# Altium PCB UZ_D_Encoder.PcbDoc (part 1 of 5)
Units mm, origin at the board's own origin, x right, y up, seen from the top; angles counter-clockwise.
Board outline 156.29 x 100 mm, 4 copper layers (Top Layer, GND, VCC, Bottom Layer), stack 0.778 mm thick; 526 components, 375 nets, 1809 pads, 592 vias.
Unrouted connection lines stored in the file: 1.
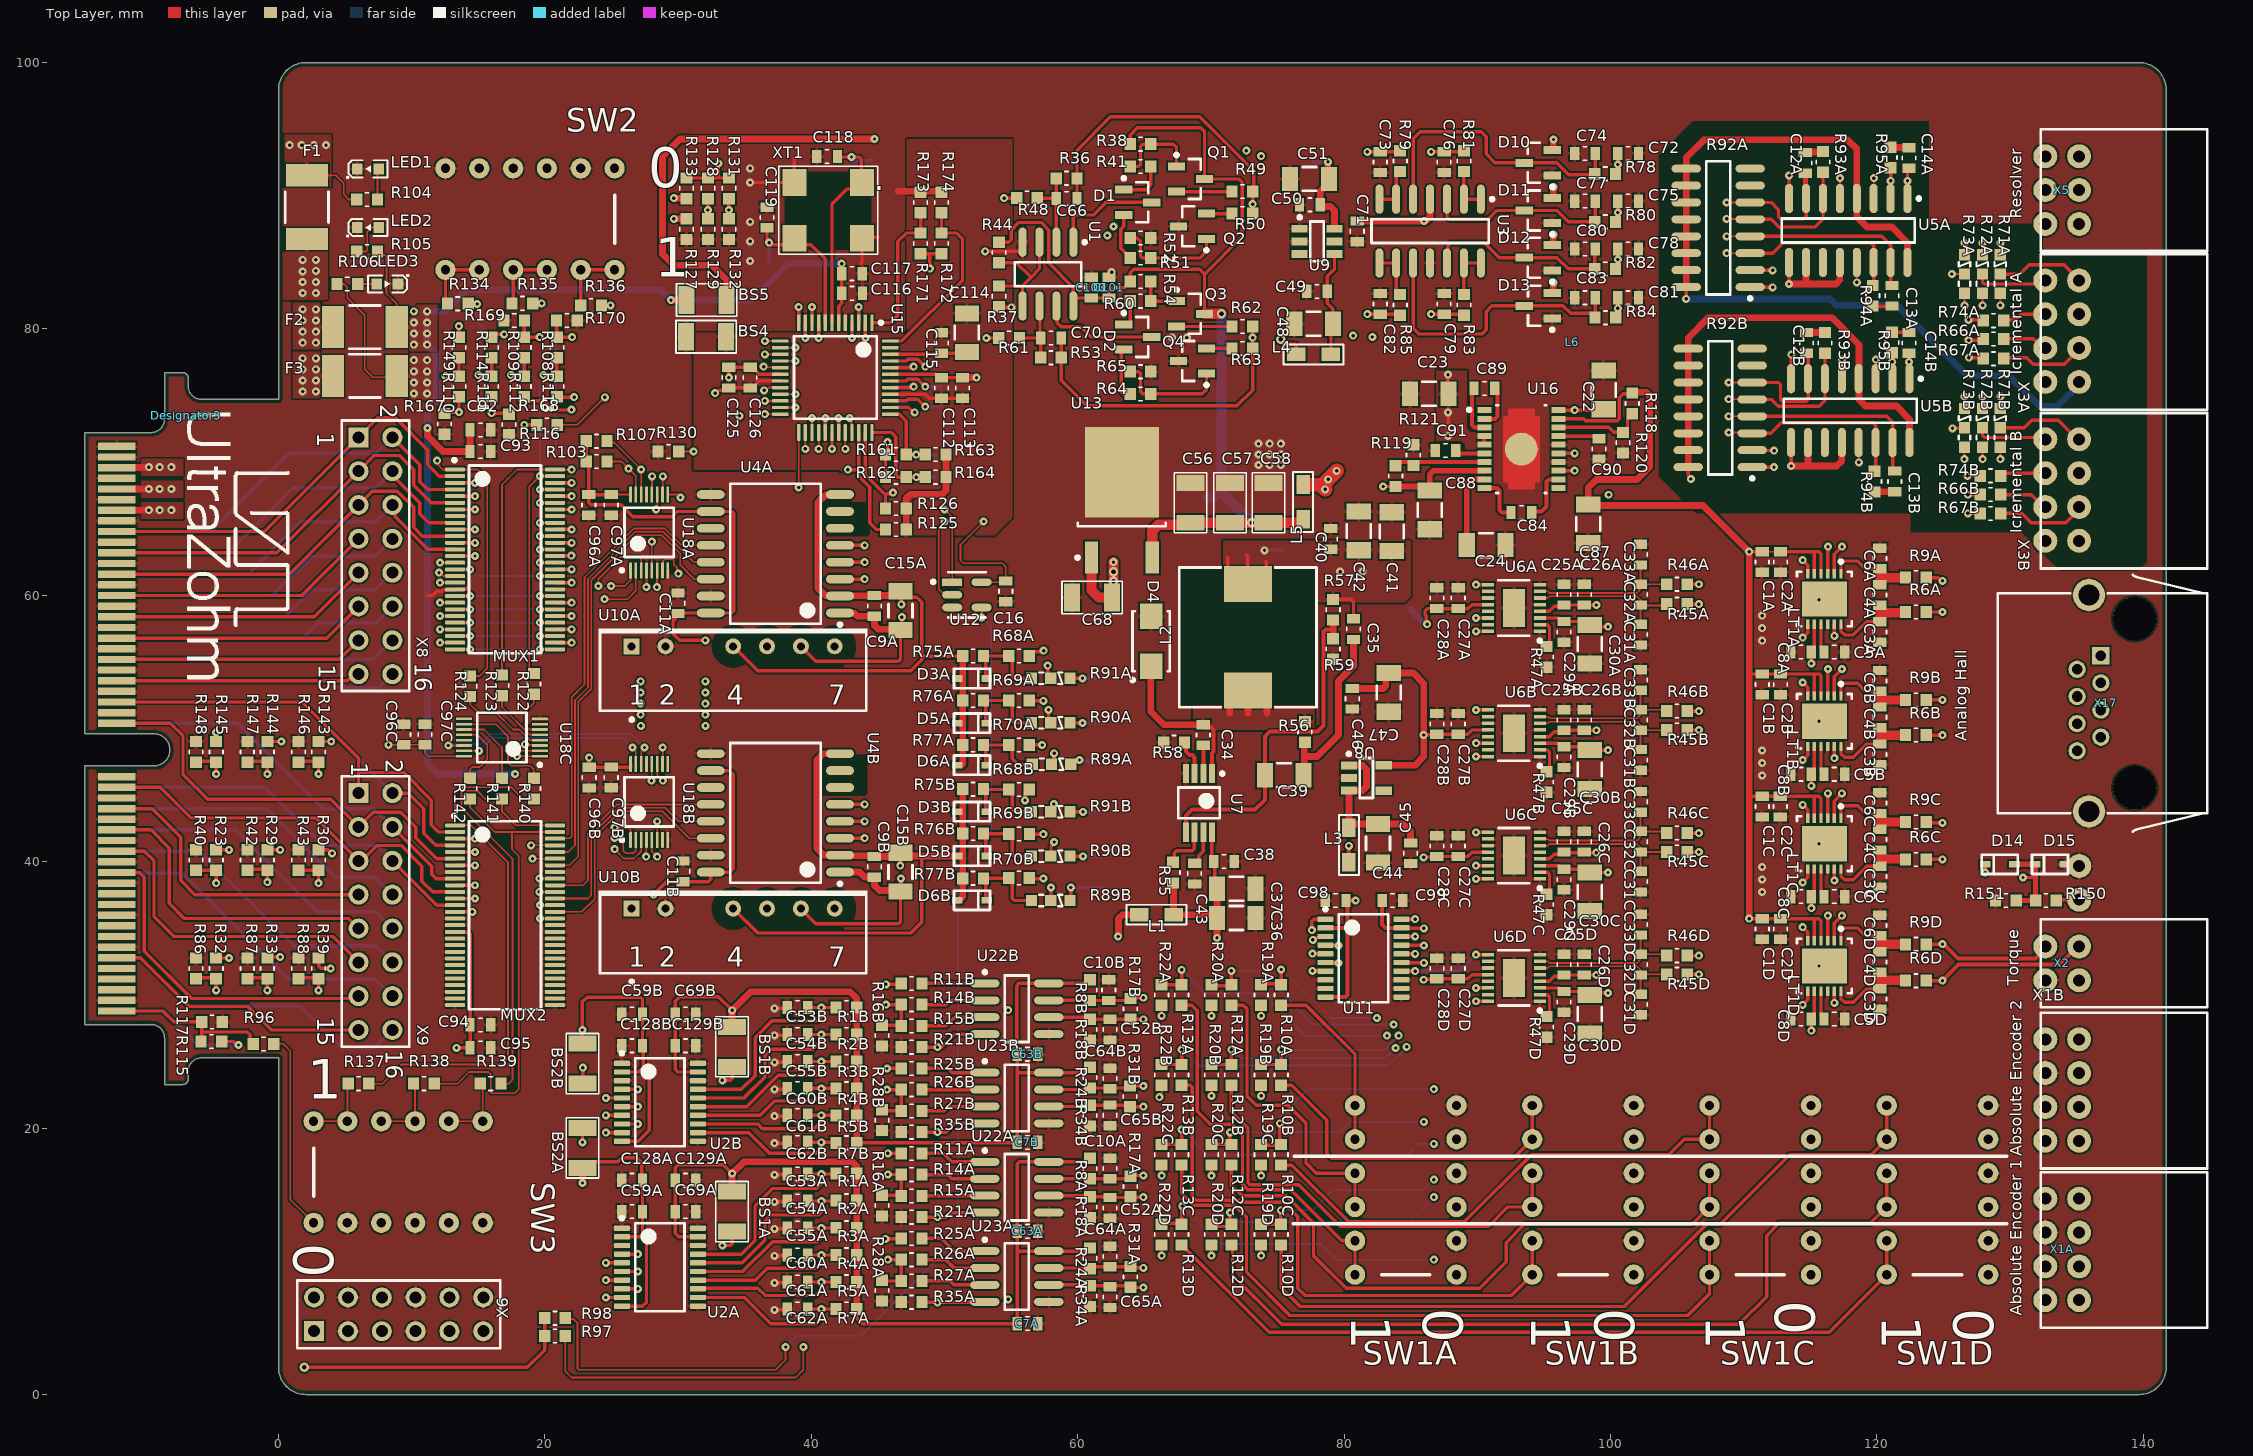
[diagram p0: Top Layer view]
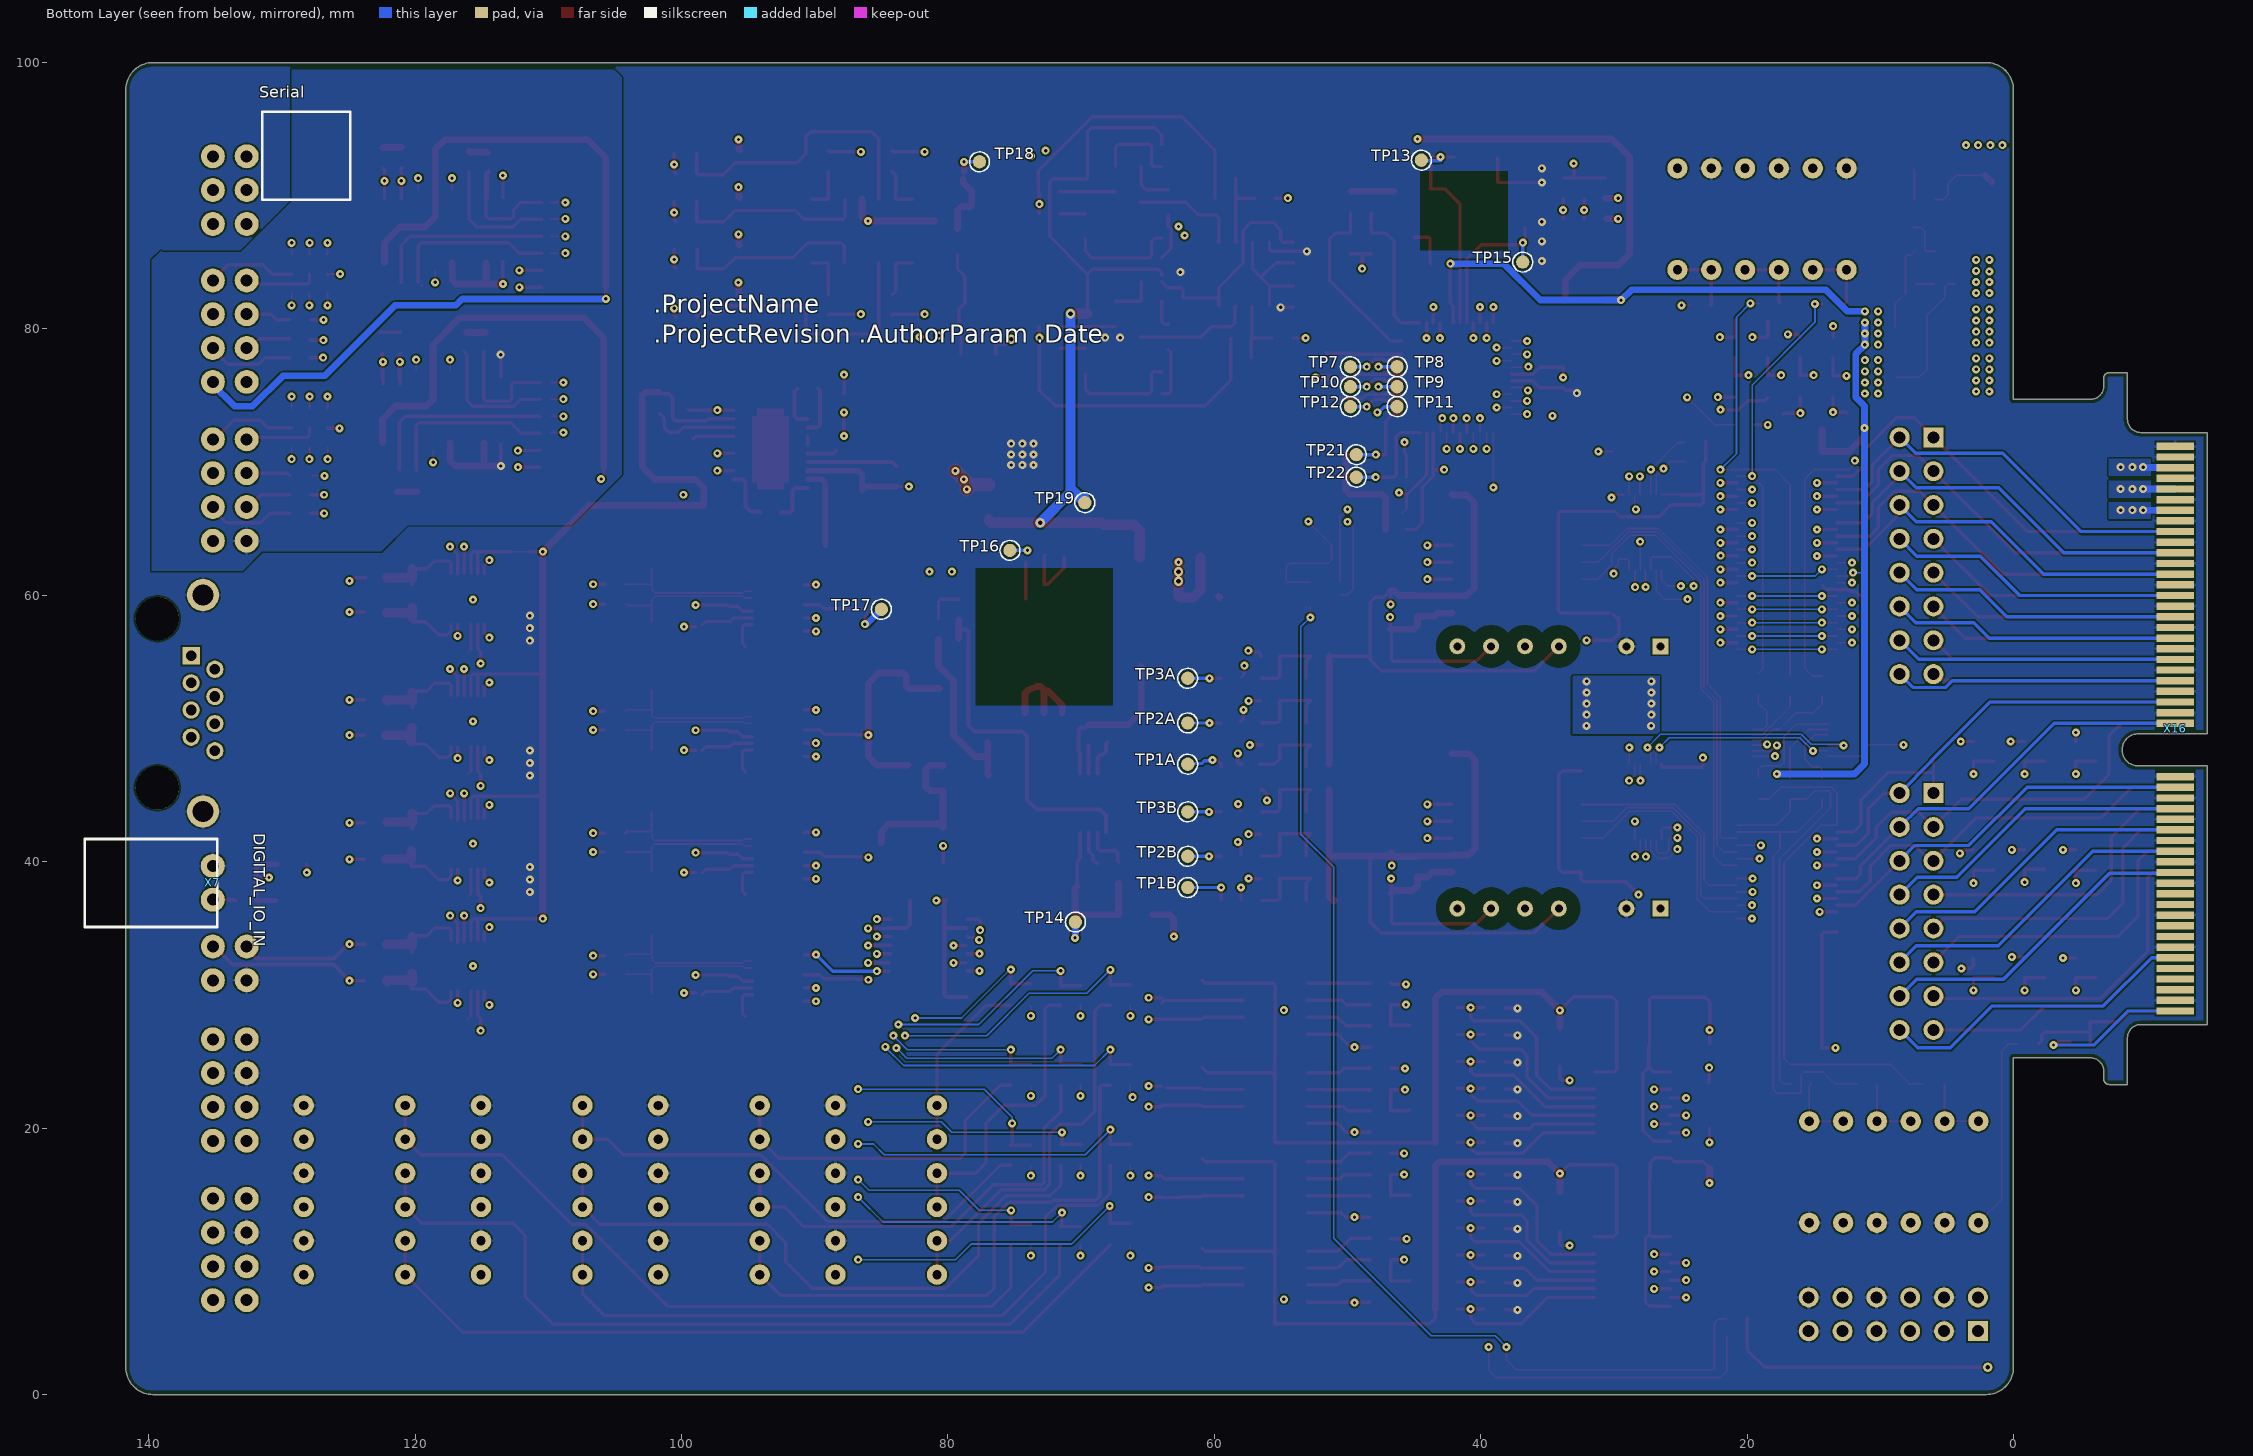
[diagram p1: Bottom Layer view, seen from below]
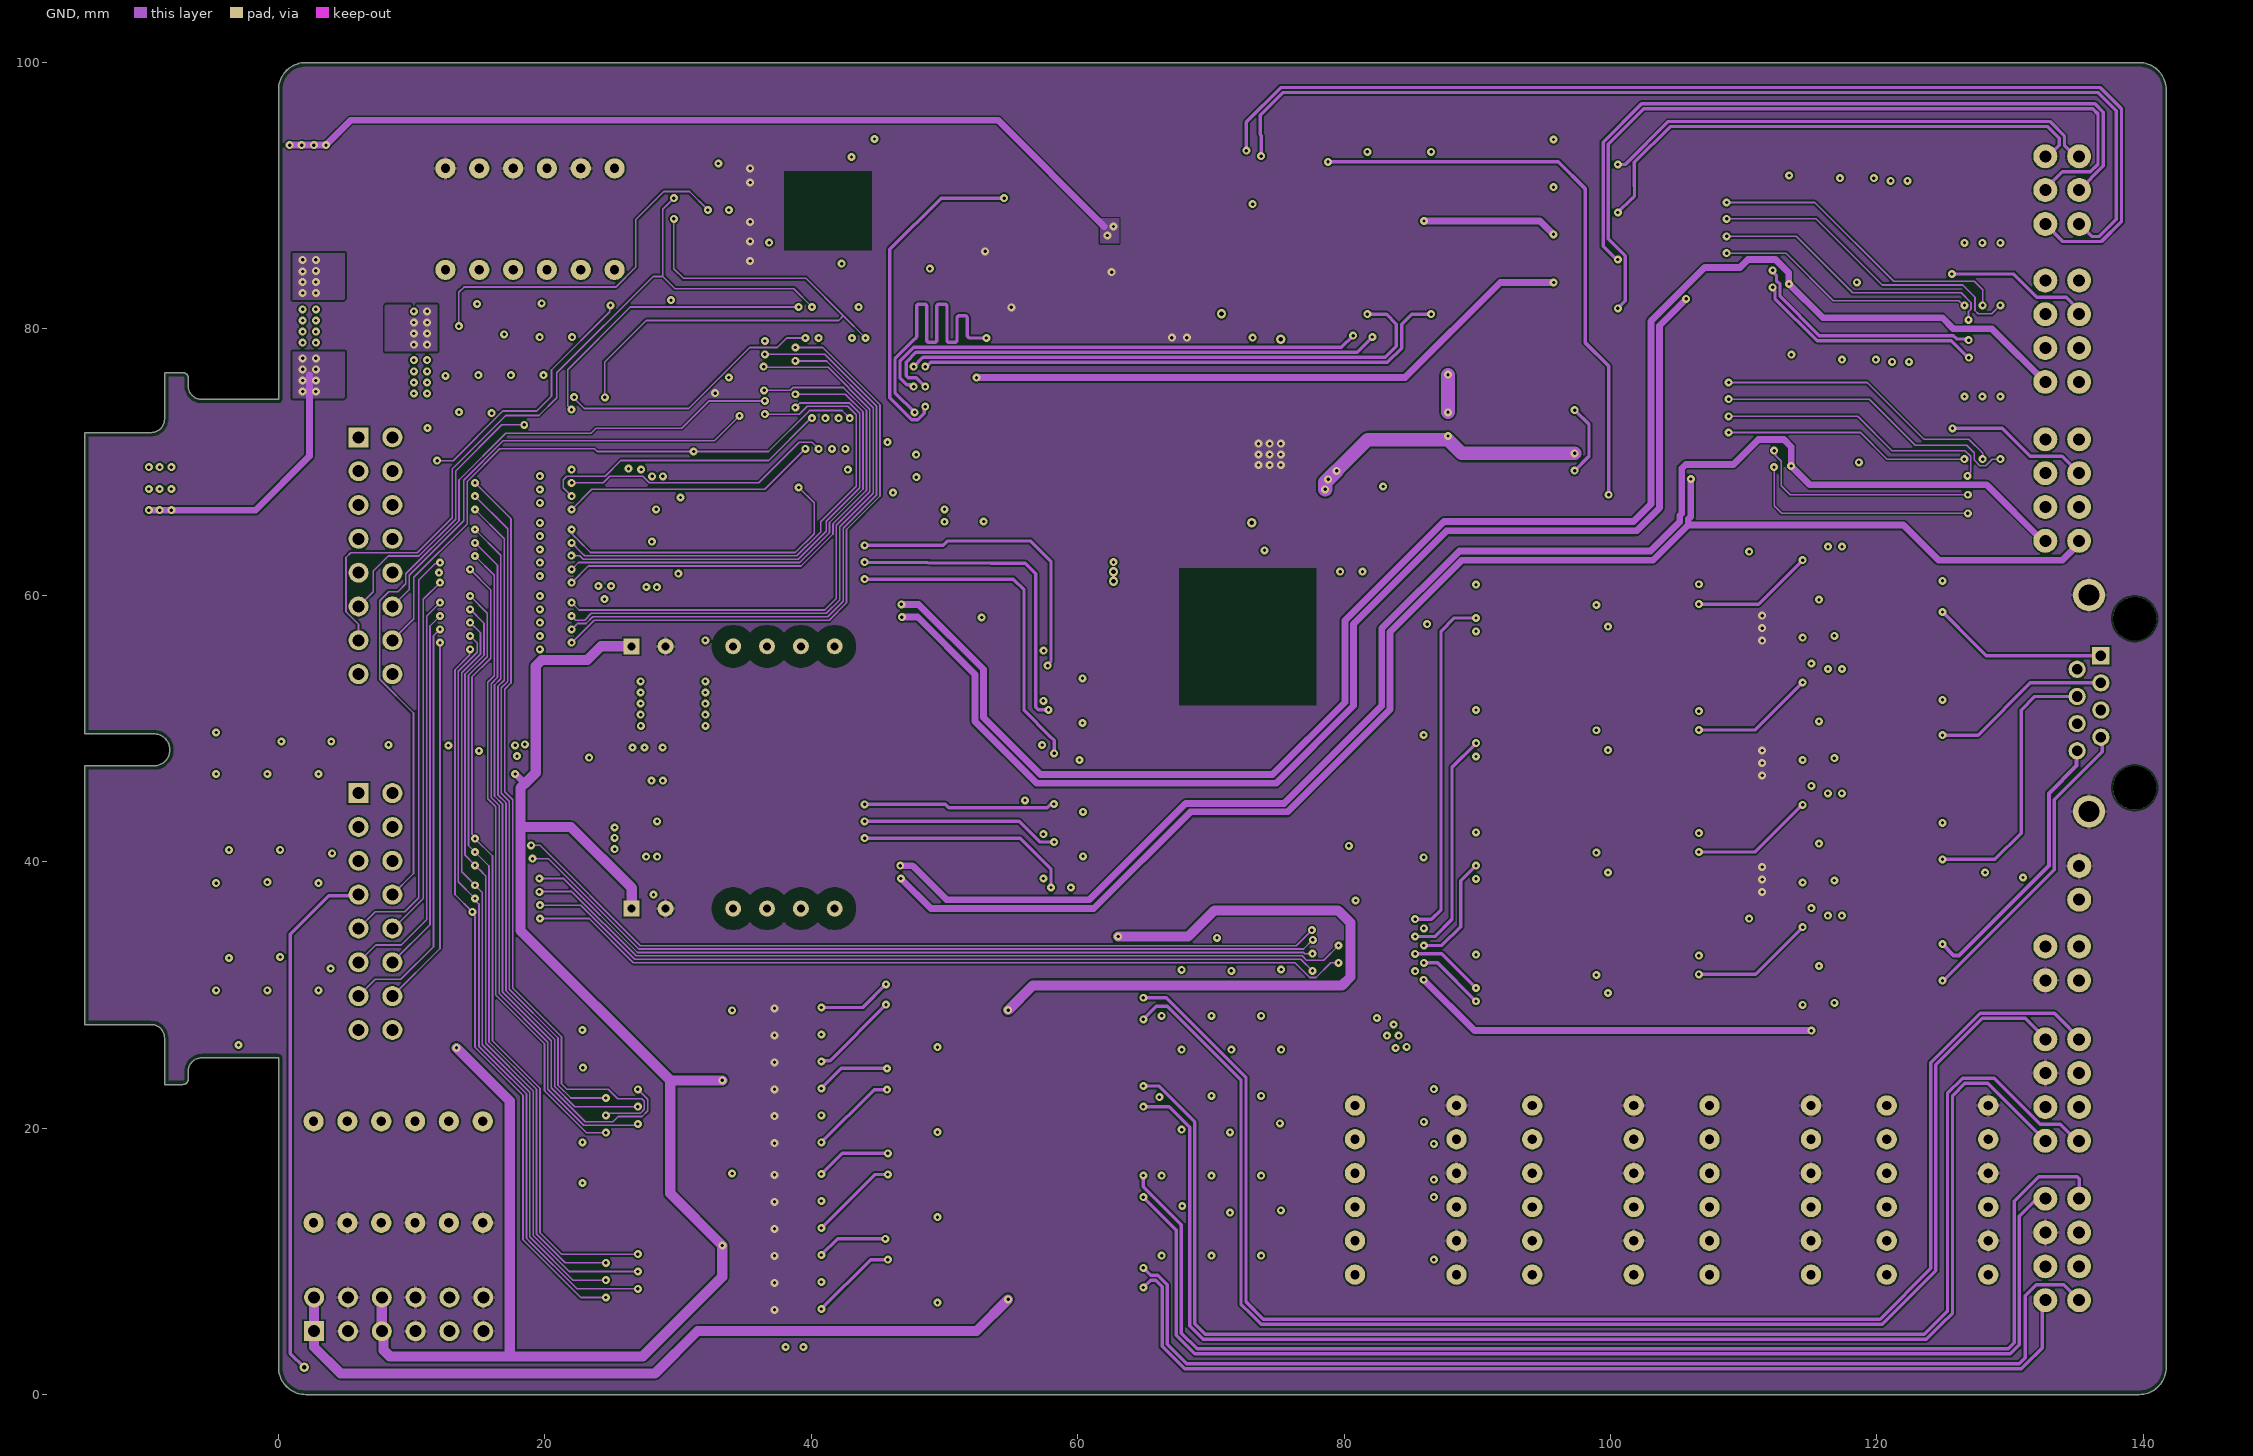
[diagram p2: GND]
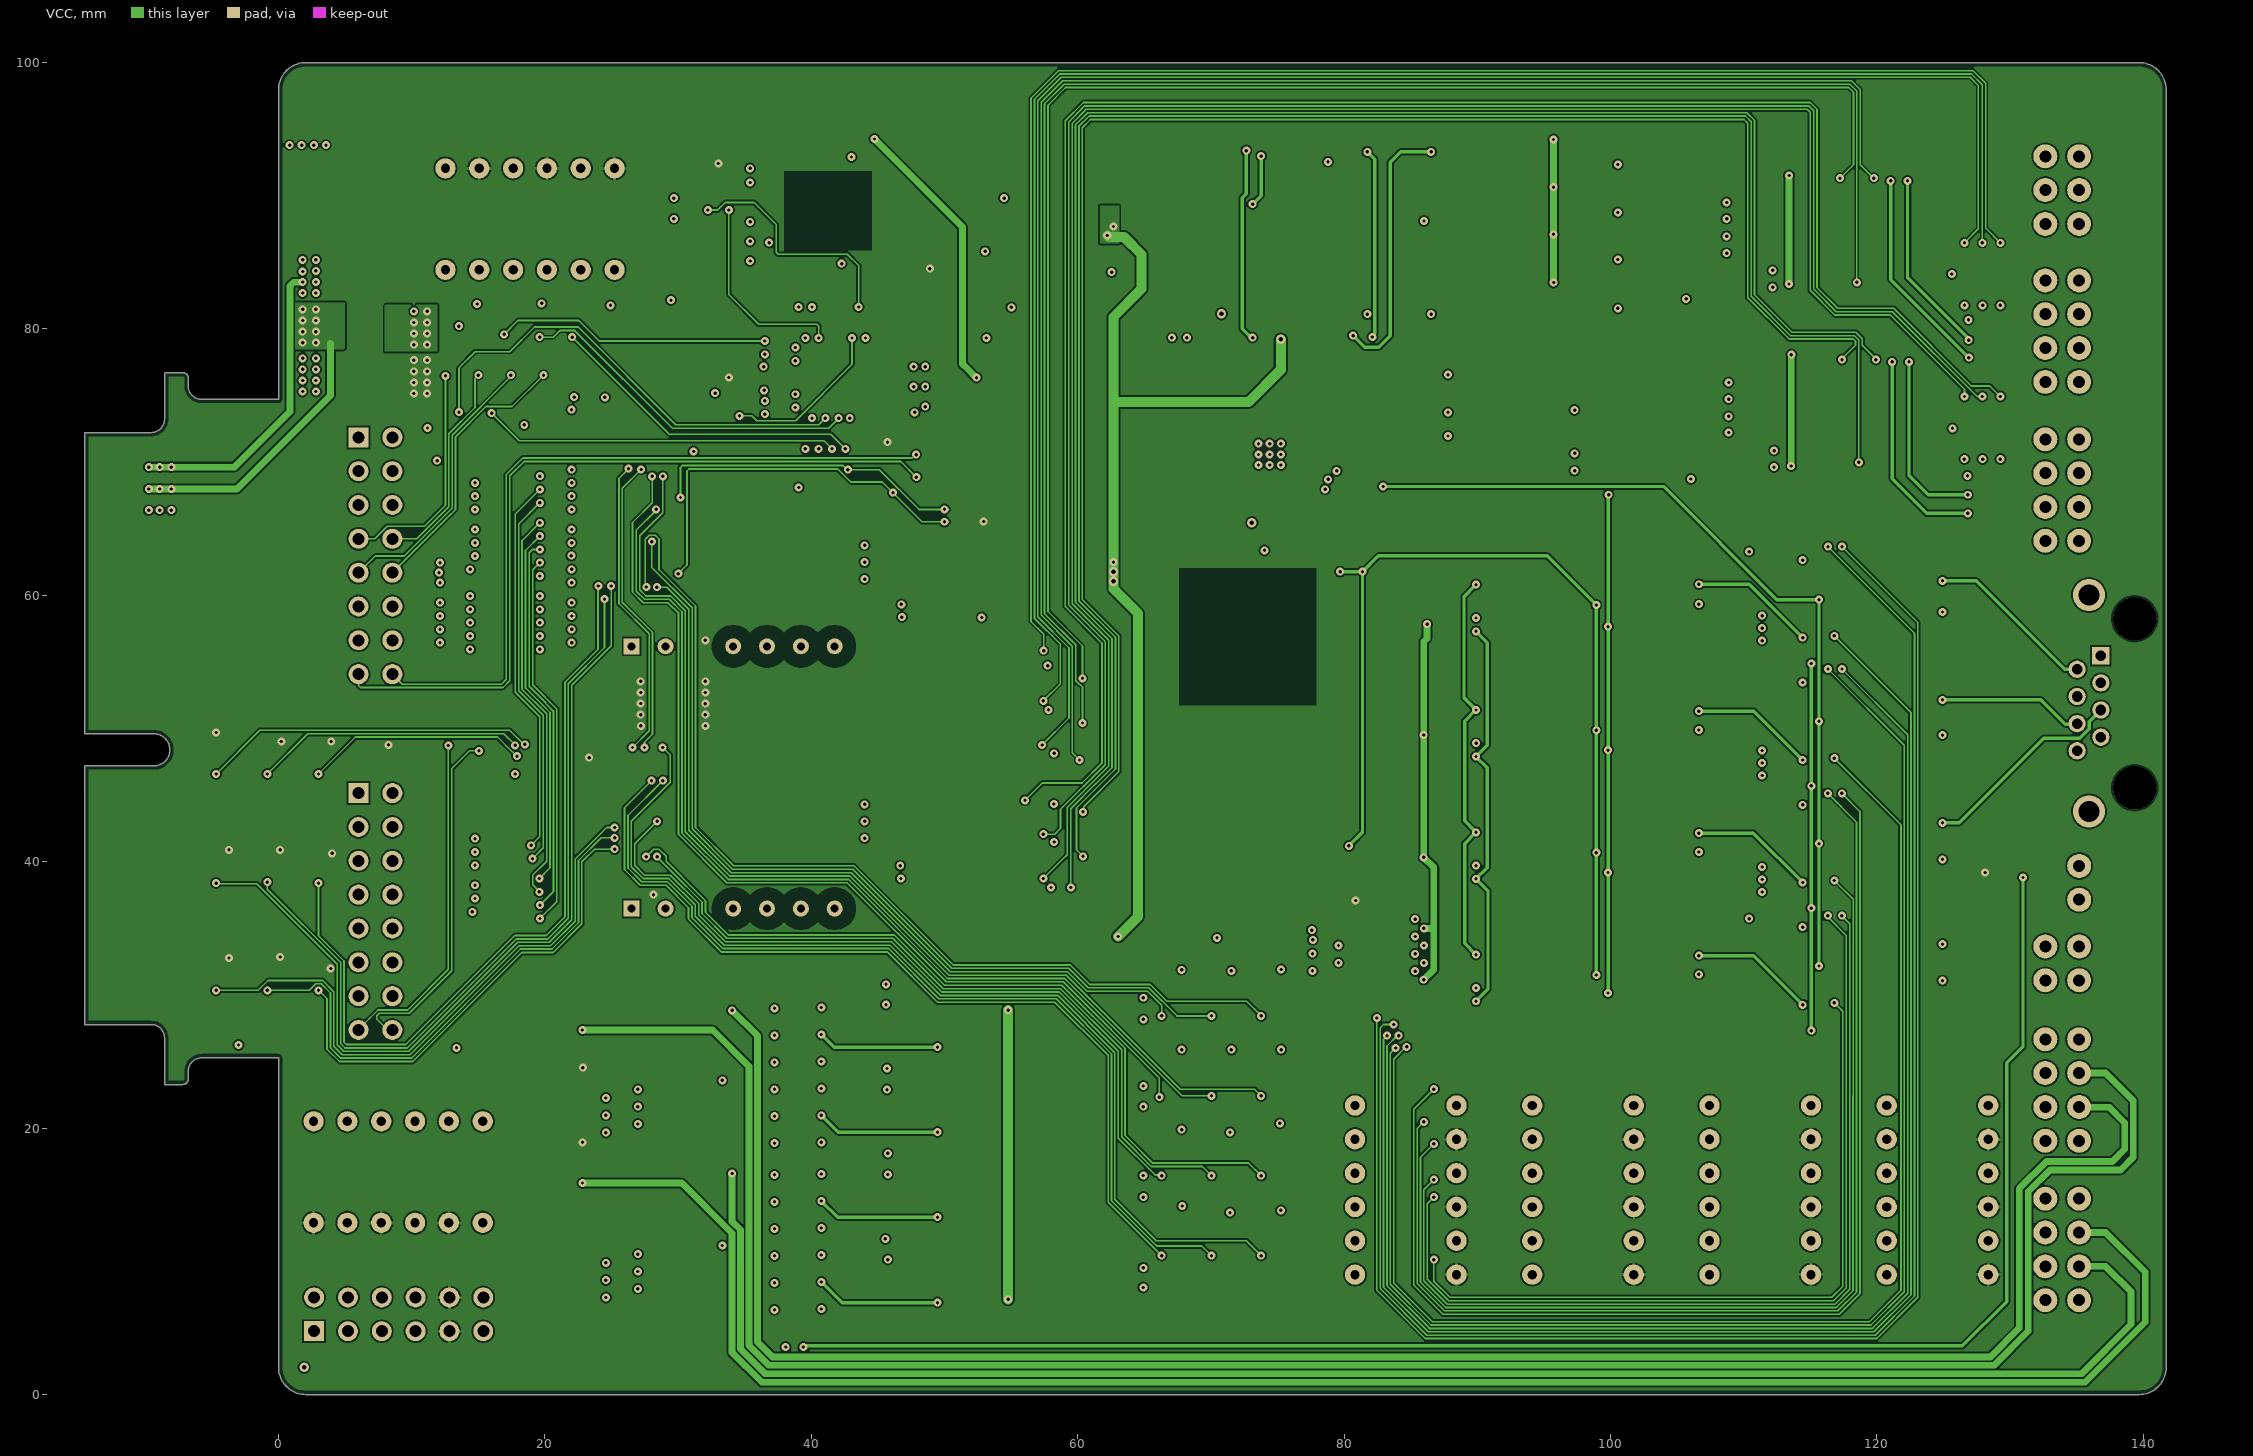
[diagram p3: VCC]

## Layer stack, top to bottom
Top Solder: solder mask 0.0102, Solder Resist, Dk 3.5
Top Layer: signal copper 0.0356
Dielectric 1: core 0.254, FR-4, Dk 4.2
GND: signal copper 0.036
Dielectric 3: prepreg 0.127, Dk 4.2
VCC: signal copper 0.036
Dielectric 2: core 0.254, Dk 4.2
Bottom Layer: signal copper 0.0356
Bottom Solder: solder mask 0.0102, Solder Resist, Dk 3.5

## Board outline
-14.566,27.775 -9.566,27.775 cw(c-9.566,26.775) -8.566,26.775 -8.566,23.275 -7.186,23.275 ccw(c-7.186,23.675) -6.786,23.675 -6.786,24.275 cw(c-5.786,24.275) -5.786,25.275 0,25.275 0,2.032 ccw(c2.032,2.032) 2.032,0 139.693,0 ccw(c139.693,2.032) 141.725,2.032 141.725,98.175 141.725,97.968 ccw(c139.693,97.968) 139.693,100 2.032,100 ccw(c2.032,97.968) 0,97.968 0,74.725 -5.786,74.725 cw(c-5.786,75.725) -6.786,75.725 -6.786,76.325 ccw(c-7.186,76.325) -7.186,76.725 -8.566,76.725 -8.566,73.225 cw(c-9.566,73.225) -9.566,72.225 -14.566,72.225 -14.566,49.6 -9.366,49.6 cw(c-9.366,48.4) -9.366,47.2 -14.566,47.2

## Design rules (kind name [scope] priority, off if disabled: settings)
BoardOutlineClearance [All] p1: gap=0.3 ignorepadtopadclearanceinfootprint=FALSE except(0: Arc-OutlineEdge Arc-CavityEdge Arc-CutoutEdge Arc-SplitBarrior Arc-SplitContinuation Track-OutlineEdge Track-CavityEdge Track-CutoutEdge Track-SplitBarrior Track-SplitContinuation Region-OutlineEdge Region-CavityEdge Region-CutoutEdge Region-SplitBarrior Region-SplitContinuation Text-OutlineEdge Text-CavityEdge Text-CutoutEdge Text-SplitBarrior Text-SplitContinuation)
Clearance Clearance_2 [InNetClass('isol_incre')  And (InComponentClass('Incre1') OR InNetClass('Incre1_Nets')) vs InNetClass('isol_incre')  And (InComponentClass('Incre2')    OR InNetClass('Incre2_Nets'))] p1: gap=1 ignorepadtopadclearanceinfootprint=FALSE except(0: Arc-Hole Track-Hole SMDPad-Hole THPad-Hole Via-Hole Fill-Hole Poly-Hole Region-Hole Text-Hole)
Clearance Clearance_1 [InNetClass('isol_incre')or  ((InComponent('U10A')or InComponent('U10B') ) and not (InNet('GND')or InNet('5V_PER_fused'))) vs not InNetClass('isol_incre')and not (InComponentClass('Incre1')or   InComponentClass('Incre2'))] p2: gap=1 ignorepadtopadclearanceinfootprint=FALSE except(0: Arc-Hole Track-Hole SMDPad-Hole THPad-Hole Via-Hole Fill-Hole Poly-Hole Region-Hole Text-Hole)
Clearance [All] p3: gap=0.127 ignorepadtopadclearanceinfootprint=FALSE except(0: Arc-Hole Track-Hole SMDPad-Hole THPad-Hole Via-Hole Fill-Hole Poly-Hole Region-Hole Text-Hole)
ComponentClearance [All] p1 off: gap=0.254 collisioncheckmode=3 verticalgap=0.254 showdistances=FALSE
DiffPairsRouting [All] p1: maxlimit=0.254 minlimit=0.127 mostfreqgap=0.127 toplayer_minwidth=0.127 toplayer_maxwidth=0.381 toplayer_prefwidth=0.127 midlayer1_minwidth=0.127 midlayer1_maxwidth=0.381 midlayer1_prefwidth=0.127 midlayer2_minwidth=0.127 midlayer2_maxwidth=0.381 midlayer2_prefwidth=0.127 bottomlayer_minwidth=0.127 bottomlayer_maxwidth=0.381 bottomlayer_prefwidth=0.127 maxuncoupledlength=12.7
HoleSize [All] p1: absolutevalues=TRUE maxlimit=6.3 minlimit=0.2 maxpercent=80.000 minpercent=20.000
MinimumSolderMaskSliver [All] p1: minsoldermaskwidth=0
PolygonConnect PolygonConnect_1 [(InComponent('U13') AND InNet(GND)) OR (InComponent('C56') AND InNet(GND)) OR (InComponent('C57') AND InNet(GND)) OR (InComponent('c58') AND InNet(GND))] p1: connectstyle=Direct reliefconductorwidth=0.254 reliefentries=4 polygonreliefangle="90 Angle" airgapwidth=0.254
PolygonConnect VIA [All vs IsVia] p2: connectstyle=Direct reliefconductorwidth=0.254 reliefentries=4 polygonreliefangle="90 Angle" airgapwidth=0.254
PolygonConnect [All] p3: connectstyle=Relief reliefconductorwidth=0.254 reliefentries=4 polygonreliefangle="90 Angle" airgapwidth=0.127
RoutingVias [All] p1: holewidth=0.25 width=0.6 viastyle="Through Hole" minholewidth=0.25 minwidth=0.6 maxholewidth=0.4 maxwidth=0.6
SilkToSilkClearance [All] p1: silktosilkclearance=0
SilkToSolderMaskClearance [IsPad  or IsVia vs IsDesignator] p1: minsilkscreentomaskgap=0.15 clearancetoexposedcopper=TRUE
SolderMaskExpansion [All] p1: expansion=0.102 istentingtop=FALSE
Width Width_PWR [InNet('VCC') or InNet('GND') or InNet('VIN')] p1: maxlimit=5 minlimit=0.127 preferedwidth=0.508
Width [All] p2: maxlimit=5 minlimit=0.127 preferedwidth=0.127
24 further rules are at their usual default settings.

## Classes and differential pairs
net class Incre2_Nets: ENC_IN_SEL_1B ENC_IN_SEL_2B ENC_IN_SEL_3B GND_ENCB INCR_1_extB INCR_1_TB INCR_1B_N INCR_1B_P INCR_2_extB INCR_2_TB INCR_2B_N INCR_2B_P INCR_3_extB INCR_3_TB INCR_3B_N INCR_3B_P INCR_B1_SingleEndedB INCR_B2_SingleEndedB INCR_B3_SingleEndedB INCR_Conn1B INCR_Conn2B INCR_Conn3B INCRIN1B INCRIN2B INCRIN3B INCRIN4B INCRIN5B INCRIN6B NetR92B_7 NetR92B_8 NetU4B_6 NetU4B_7 NetU4B_11 NetU5B_11 NetU10B_5 VCC_ENCB
net class Incre1_Nets: ENC_IN_SEL_1A ENC_IN_SEL_2A ENC_IN_SEL_3A GND_ENCA INCR_1_extA INCR_1_TA INCR_1A_N INCR_1A_P INCR_2_extA INCR_2_TA INCR_2A_N INCR_2A_P INCR_3_extA INCR_3_TA INCR_3A_N INCR_3A_P INCR_B1_SingleEndedA INCR_B2_SingleEndedA INCR_B3_SingleEndedA INCR_Conn1A INCR_Conn2A INCR_Conn3A INCRIN1A INCRIN2A INCRIN3A INCRIN4A INCRIN5A INCRIN6A NetR92A_7 NetR92A_8 NetU4A_6 NetU4A_7 NetU4A_11 NetU5A_11 NetU10A_5 VCC_ENCA
component class TopSheet: L6 Serial
channel class "Input Mode Selector": Incre1 Incre2
component class Incre1: C9A C11A C12A C13A C14A C15A D3A D5A D6A R66A R67A R68A R69A R70A R71A R72A R73A R74A R75A R76A R77A R89A R90A R91A R92A R93A R94A R95A TP1A TP2A TP3A U4A U5A U10A X3A
channel class I2CInterface: BusswitchControl GAIN1 GAIN2
channel class "Absolute Encoder": "Absolute encoder" "Absolute encoder2"
net class PGA_DIGITAL2[1..4]: PGA_DIGITAL21 PGA_DIGITAL22 PGA_DIGITAL23 PGA_DIGITAL24
net class PGA_DIGITAL1[1..4]: PGA_DIGITAL11 PGA_DIGITAL12 PGA_DIGITAL13 PGA_DIGITAL14
net class PGA_DIGITAL0[1..4]: PGA_DIGITAL01 PGA_DIGITAL02 PGA_DIGITAL03 PGA_DIGITAL04
net class DIG_IO_[0..29]: DB6 DIG_IO_0 DIG_IO_1 DIG_IO_2 DIG_IO_3 DIG_IO_4 DIG_IO_5 DIG_IO_6 DIG_IO_7 DIG_IO_8 DIG_IO_9 DIG_IO_10 DIG_IO_11 DIG_IO_12 DIG_IO_13 DIG_IO_14 DIG_IO_15 DIG_IO_16 DIG_IO_17 DIG_IO_18 DIG_IO_19 DIG_IO_20 DIG_IO_21 DIG_IO_22 DIG_IO_24 DIG_IO_25 DIG_IO_26 DIG_IO_27 DIG_IO_28 DIG_IO_29
net class DB[0..12]: DB0 DB1 DB2 DB3 DB4 DB5 DB6 DB7 DB8 DB9 DB10 DB11 DB12
net class ADC_OUT_P[1..4]: ADC_OUT_P1 ADC_OUT_P2 ADC_OUT_P3 ADC_OUT_P4
net class ADC_OUT_OVCCP[1..4]: ADC_OUT_OVCCP1 ADC_OUT_OVCCP2 ADC_OUT_OVCCP3 ADC_OUT_OVCCP4
component class GF: R96 R115 R117 X16
component class GAIN2: C96B C97B U18B
component class GAIN1: C96A C97A U18A
component class BusswitchControl: C96C C97C U18C
component class Busswitch_B: C94 C95 MUX2 R137 R138 R139 R140 R141 R142 SW3
component class Busswitch_A: C92 C93 MUX1 R122 R123 R124 R134 R135 R136 SW2
component class BS: R143 R144 R145 R146 R147 R148
component class "Absolute encoder2": BS1B BS2B C7B C10B C52B C53B C54B C55B C59B C60B C61B C62B C63B C64B C65B C69B C128B C129B R1B R2B R3B R4B R5B R7B R8B R11B R14B R15B R16B R17B R18B R21B R24B R25B R26B R27B R28B R31B R34B R35B U2B U22B U23B X1B
channel class ADC_AH: ADC1 ADC2 ADC3 ADC4
net class INCR_B[1..3]: INCR_B1 INCR_B2 INCR_B3
net class INCR_A[1..3]: INCR_A1 INCR_A2 INCR_A3
net class ADC1_IN_P[1..4]: ADC1_IN_P1 ADC1_IN_P2 ADC1_IN_P3 ADC1_IN_P4
net class ADC1_IN_N[1..4]: ADC1_IN_N1 ADC1_IN_N2 ADC1_IN_N3 ADC1_IN_N4
component class Resolver: BS4 BS5 C112 C113 C114 C115 C116 C117 C118 C119 C125 C126 R125 R126 R127 R128 R129 R130 R131 R132 R133 R161 R162 R163 R164 R167 R168 R169 R170 R171 R172 R173 R174 TP7 TP8 TP9 TP10 TP11 TP12 TP13 TP15 TP21 TP22 U15 X5 XT1
component class "Power_Analog Hall": C22 C23 C24 C34 C35 C36 C37 C38 C39 C40 C41 C42 C43 C44 C45 C46 C47 C48 C49 C50 C51 C84 C87 C88 C89 C90 C91 D4 L1 L2 L3 L4 L5 R55 R56 R57 R58 R59 R118 R119 R120 R121 TP14 TP16 TP17 TP18 U7 U8 U9 U16
component class "Analog Hall": C98 C99 R23 R29 R30 R32 R33 R39 R40 R42 R43 R86 R87 R88 U11 X2 X17
component class "Interface Connector": C16 D14 D15 F1 F2 F3 LED1 LED2 LED3 R97 R98 R103 R104 R105 R106 R107 R108 R109 R110 R111 R112 R113 R114 R116 R149 R150 R151 U12 X6 X7 X8 X9
component class "Impedance Converter": C71 C72 C73 C74 C75 C76 C77 C78 C79 C80 C81 C82 C83 C730 D10 D11 D12 D13 R78 R79 R80 R81 R82 R83 R84 R85 U3
component class Incre2: C9B C11B C12B C13B C14B C15B D3B D5B D6B R66B R67B R68B R69B R70B R71B R72B R73B R74B R75B R76B R77B R89B R90B R91B R92B R93B R94B R95B TP1B TP2B TP3B U4B U5B U10B X3B
component class Buffer_EXC: C56 C57 C58 C66 C68 C70 C100 C101 D1 D2 Q1 Q2 Q3 Q4 R36 R37 R38 R41 R44 R48 R49 R50 R51 R52 R53 R54 R60 R61 R62 R63 R64 R65 TP19 U1 U13
component class ADC4: C1D C2D C3D C4D C5D C6D C8D C25D C26D C27D C28D C29D C30D C31D C32D C33D D LT1D R6D R9D R10D R12D R13D R19D R20D R22D R45D R46D R47D SW1D U6D
component class ADC3: C C1C C2C C3C C4C C5C C6C C8C C25C C26C C27C C28C C29C C30C C31C C32C C33C LT1C R6C R9C R10C R12C R13C R19C R20C R22C R45C R46C R47C SW1C U6C
component class ADC2: B C1B C2B C3B C4B C5B C6B C8B C25B C26B C27B C28B C29B C30B C31B C32B C33B LT1B R6B R9B R10B R12B R13B R19B R20B R22B R45B R46B R47B SW1B U6B
component class ADC1: A C1A C2A C3A C4A C5A C6A C8A C25A C26A C27A C28A C29A C30A C31A C32A C33A LT1A R6A R9A R10A R12A R13A R19A R20A R22A R45A R46A R47A SW1A U6A
component class "Absolute encoder": BS1A BS2A C7A C10A C52A C53A C54A C55A C59A C60A C61A C62A C63A C64A C65A C69A C128A C129A R1A R2A R3A R4A R5A R7A R8A R11A R14A R15A R16A R17A R18A R21A R24A R25A R26A R27A R28A R31A R34A R35A U2A U22A U23A X1A
differential pair INCR_3B: +INCR_3A_P -INCR_3A_N
differential pair INCR_3A: +INCR_3B_P -INCR_3B_N
differential pair INCR_2B: +INCR_2A_P -INCR_2A_N
differential pair INCR_2A: +INCR_2B_P -INCR_2B_N
differential pair INCR_1B: +INCR_1A_P -INCR_1A_N
differential pair INCR_1A: +INCR_1B_P -INCR_1B_N
differential pair ADC1_IN4: +ADC1_IN_P4 -ADC1_IN_N4
differential pair ADC1_IN3: +ADC1_IN_P3 -ADC1_IN_N3
differential pair ADC1_IN2: +ADC1_IN_P2 -ADC1_IN_N2
differential pair ADC1_IN1: +ADC1_IN_P1 -ADC1_IN_N1
differential pair OP_OUTD: +OP_OUTD_P -OP_OUTD_N
differential pair OP_OUTC: +OP_OUTC_P -OP_OUTC_N
differential pair OP_OUTB: +OP_OUTB_P -OP_OUTB_N
differential pair OP_OUTA: +OP_OUTA_P -OP_OUTA_N
differential pair ADC1_IN4: +ADC_IN_PFD -ADC_IN_NFD
differential pair ADC1_IN3: +ADC_IN_PFC -ADC_IN_NFC
differential pair ADC1_IN2: +ADC_IN_PFB -ADC_IN_NFB